# Altium PCB UPS电路2.PcbDoc
Units mm, origin at the board's own origin, x right, y up, seen from the top; angles counter-clockwise.
Board outline 89.53 x 67.31 mm, 2 copper layers (Top Layer, Bottom Layer); 41 components, 30 nets, 150 pads, 10 vias.
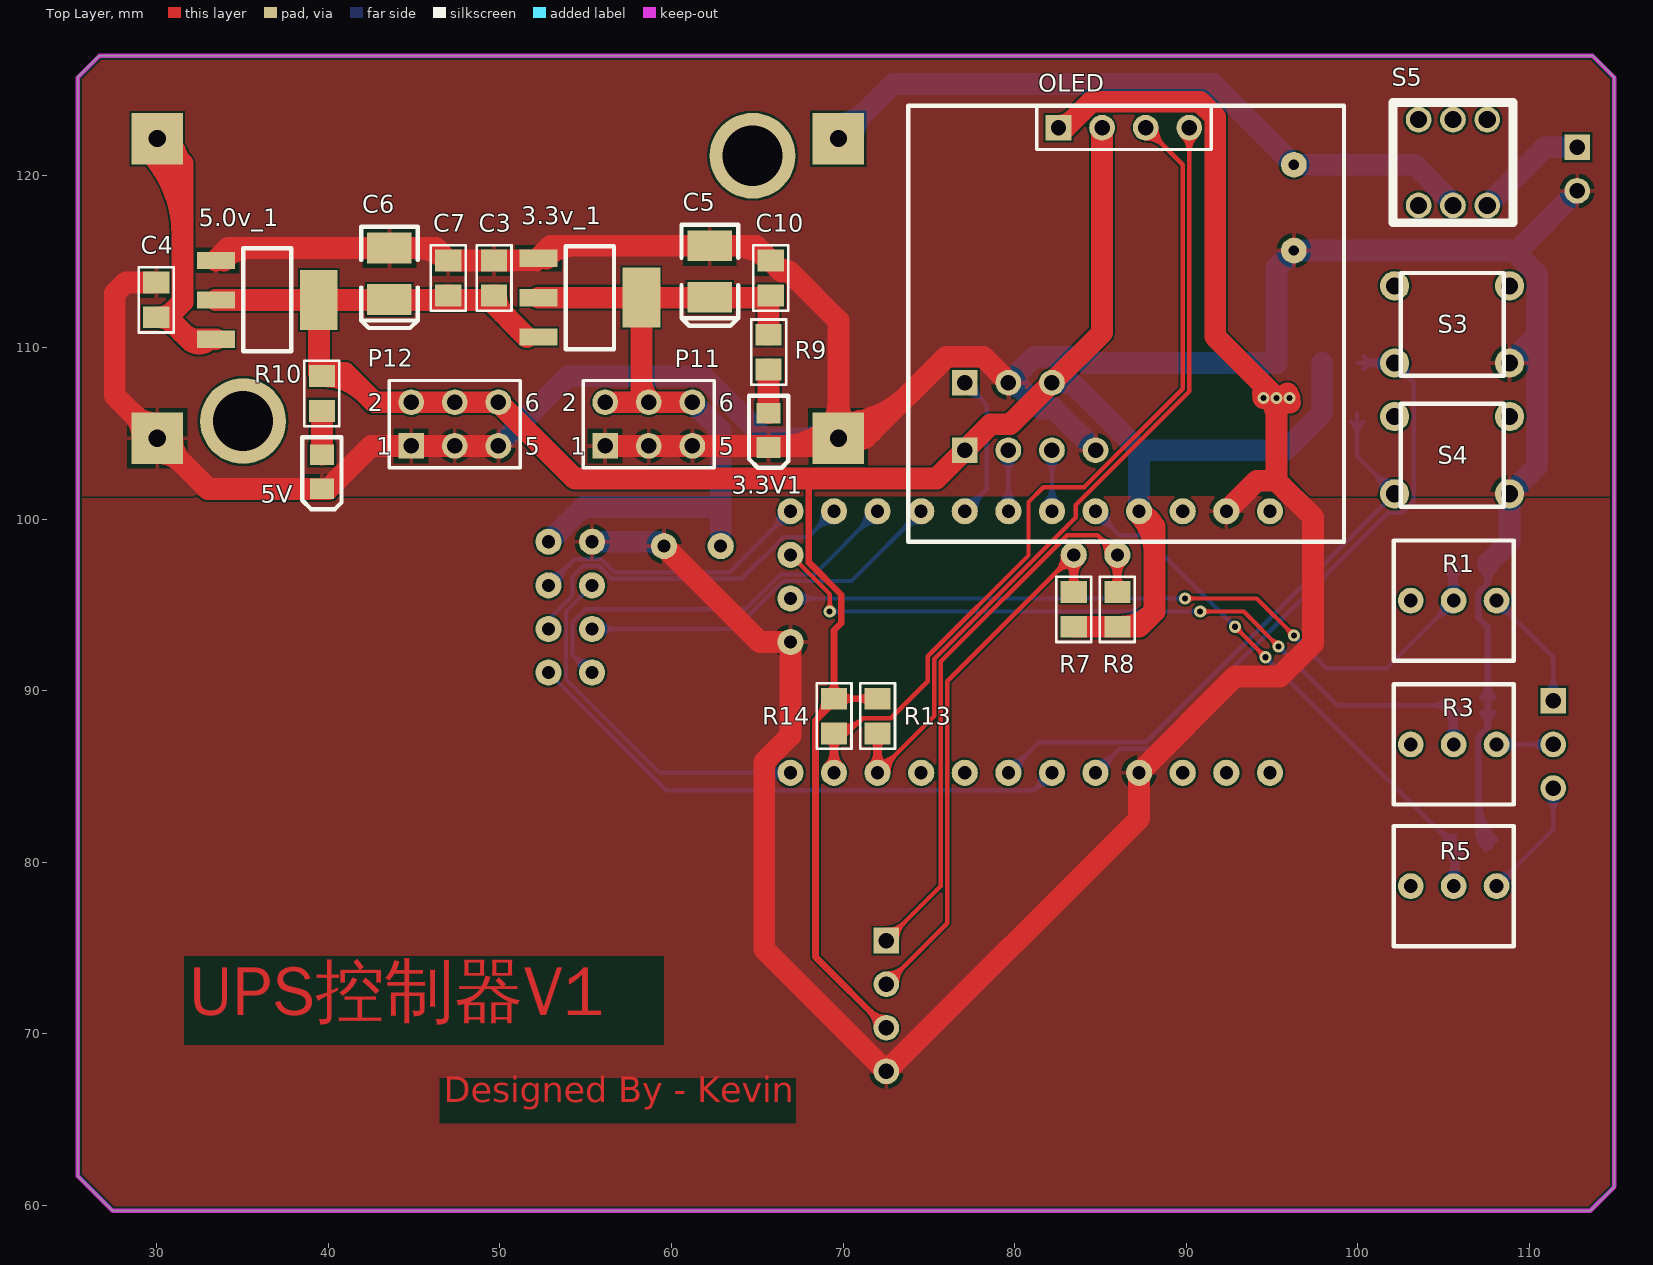
[diagram p0: Top Layer view]
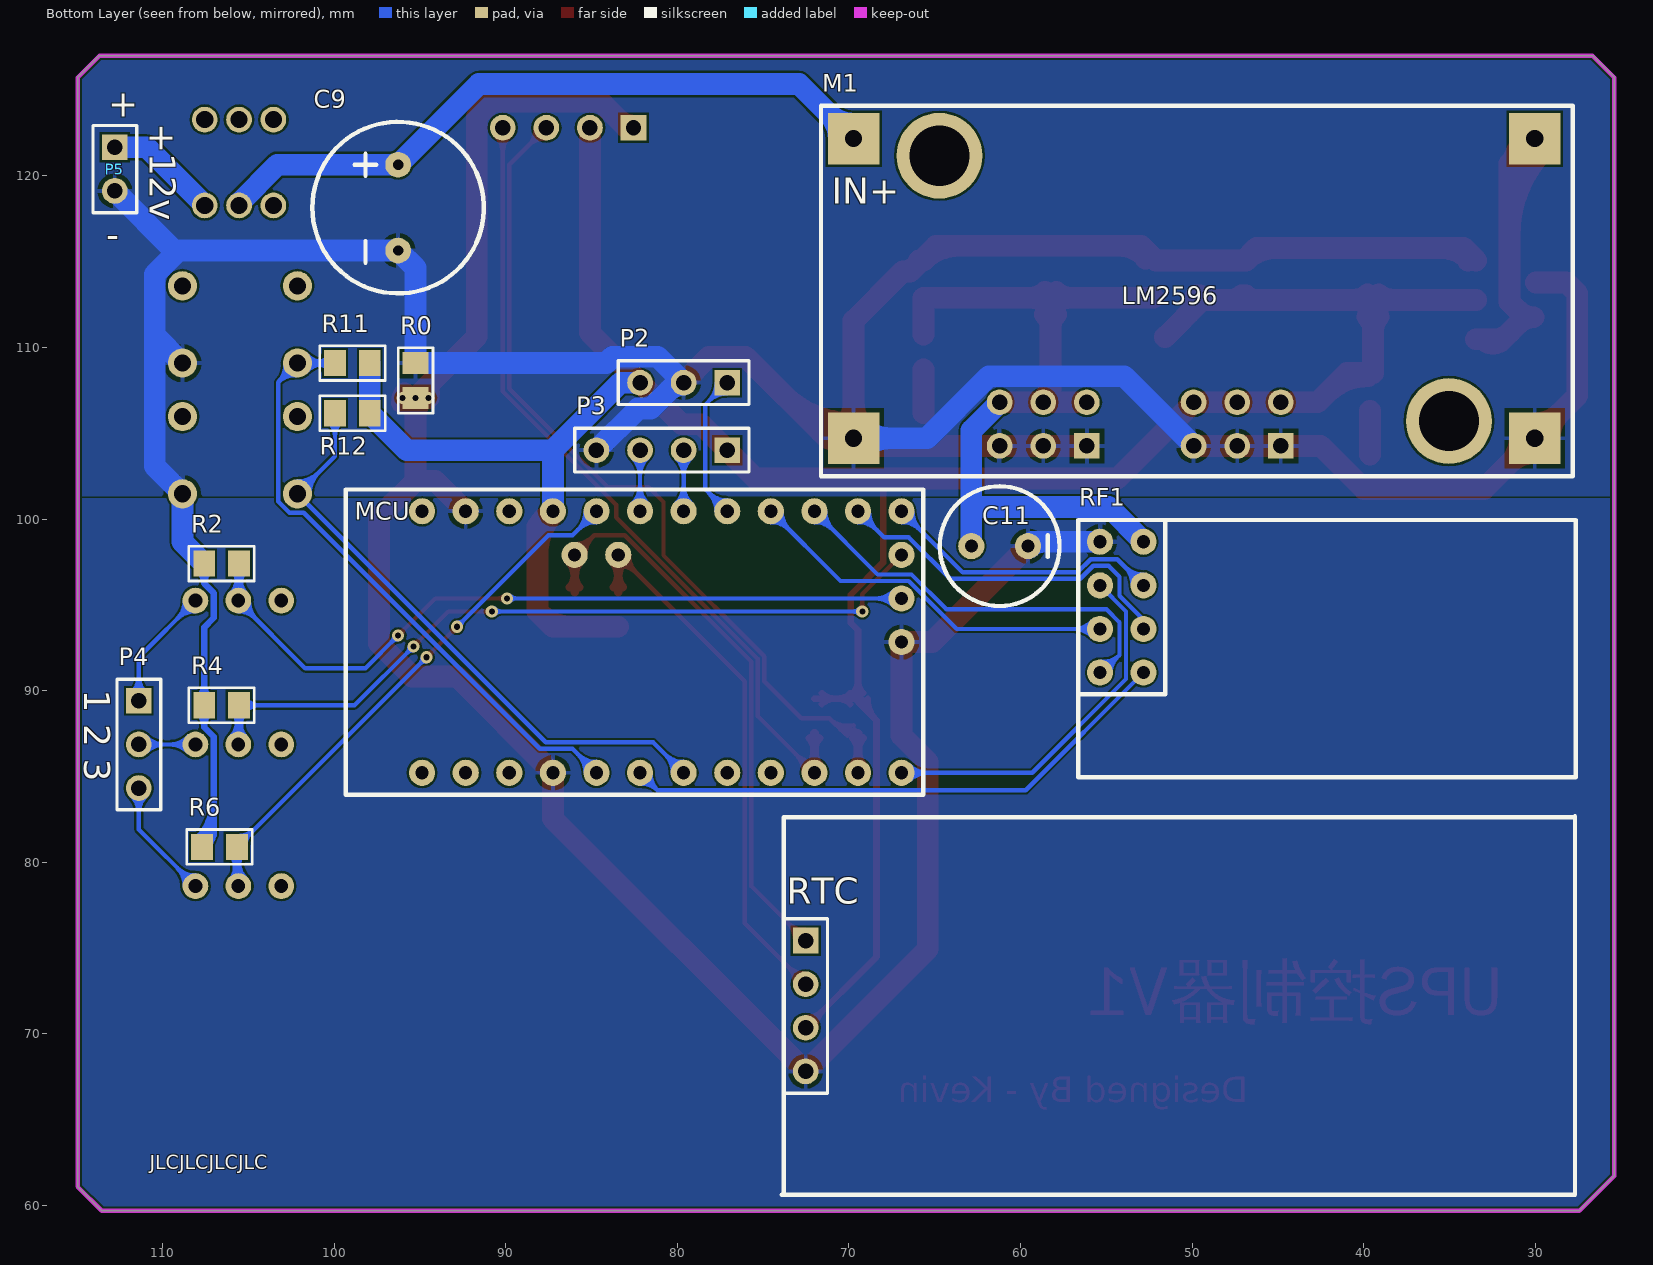
[diagram p1: Bottom Layer view, seen from below]

## Layer stack, top to bottom
Top Solder: solder mask 0.0102, Solder Resist, Dk 3.5
Top Layer: signal copper 0.0356
Dielectric 1: dielectric 0.32, FR-4, Dk 4.8
Bottom Layer: signal copper 0.0356
Bottom Solder: solder mask 0.0102, Solder Resist, Dk 3.5

## Board outline
25.4,61.722 25.4,125.73 26.67,127 113.665,127 114.935,125.73 114.935,61.087 113.538,59.69 27.432,59.69

## Design rules (kind name [scope] priority, off if disabled: settings)
Clearance [All] p1: gap=0.127
PolygonConnect [All] p1: connectstyle=Relief reliefconductorwidth=0.254 reliefentries=4 polygonreliefangle="90 Angle" airgapwidth=0.254
RoutingVias [All] p1: holewidth=0.711 width=1.27 viastyle="Through Hole" minholewidth=0.711 minwidth=1.27 maxholewidth=0.711 maxwidth=1.27
SolderMaskExpansion [All] p1: expansion=0.102
Width [All] p1: maxlimit=5.08 minlimit=0.127 preferedwidth=0.254
29 further rules are at their usual default settings.

## Components (designator, comment, footprint, x,y, rotation, side; value= is the part's Value field where it differs from the comment)
3.3V1 "3.3V1" LED 65.659,106.172 r270 top
3.3v_1 "LM1117_3.3" LC-SOT-223 55.245,112.903 r180 top
5.0v_1 "LM1117_5.0" LC-SOT-223 36.449,112.776 r180 top
5V "3.3V1" LED 39.624,103.759 r270 top
C3 "0.1uF" 0805 49.657,115.062 r270 top
C4 "0.1uF" 0805 29.972,113.792 r270 top
C5 "22uf" LC-CASE-B_3528 62.23,114.427 r270 top
C6 "22uf" LC-CASE-B_3528 43.561,114.3 r270 top
C7 "1uF" 0805 46.99,115.062 r270 top
C9 "470uF" 470uf-2 96.266,120.65 r270 bottom
C10 "1uF" 0805 65.786,115.062 r270 top
C11 "220uF" 220uf 62.865,98.425 r180 bottom
M1 "12V-8V" LM2596 69.723,122.174 r180 bottom
MCU "Arduino Pro Mini" Arduino_Promini 94.869,85.217 r180 bottom
OLED "Header 4" HDR1X4 82.55,122.809 r0 top
P2 "Relay3" HDR1X3 77.089,107.95 r0 bottom
P3 "Relay12" HDR1X4 77.089,104.013 r0 bottom
P4 "Sample" HDR1X3 111.379,89.408 r270 bottom
P5 "Power" HDR1X2 112.776,121.666 r270 bottom
P11 "5V Hub" HDR2X3 56.134,104.267 r0 top
P12 "3.3V Hub" HDR2X3 44.831,104.267 r0 top
R0 "Res2" 0805 95.25,109.093 r270 bottom
R1 "Res Adj2" AdjRes 108.077,95.25 r180 top
R2 "Res2" 0805 105.537,97.409 r0 bottom
R3 "Res Adj2" AdjRes 108.077,86.868 r180 top
R4 "Res2" 0805 105.537,89.154 r0 bottom
R5 "Res Adj2" AdjRes 108.077,78.613 r180 top
R6 "Res2" 0805 105.664,80.899 r0 bottom
R7 "Res2" 0805 83.439,95.758 r270 top
R8 "Res2" 0805 85.979,95.758 r270 top
R9 "1K" 0805 65.659,108.712 r90 top
R10 "1K" 0805 39.624,106.299 r90 top
R11 "Res2" 0805 97.917,109.093 r0 bottom
R12 "Res2" 0805 97.917,106.172 r0 bottom
R13 "Res2" 0805 72.009,87.503 r90 top
R14 "Res2" 0805 69.469,87.503 r90 top
RF1 "NRF24L01" NRF24L01 55.372,98.679 r180 bottom
RTC "Header 4" HDR1X4 72.517,75.438 r270 bottom
S3 "SW-SPST" SWITCH6*6*5 108.839,109.093 r180 top
S4 "SW-SPST" SWITCH6*6*5 108.839,101.473 r180 top
S5 "PowerSwitch" Swtich7*7 105.537,120.777 r180 top

## Footprints (in the part's own frame and the unit in brackets; to place one, negate y for a bottom-side part, rotate by r counter-clockwise, add the part's x,y. Pads: shape width x height; smd on the part's side, far side on the other; paste and mask are expansions set on the pad)
220uf [mil]
  round 60 hole 30: 1(0,0) 2(130,0)
  silkscreen extent -72,-137 202,137
470uf-2 [mm]
  round 1.5 hole 0.6: 1(0,0) 2(5,0)
  silkscreen extent -2.5,-5 7.5,5
0805 [mil]
  rect 50x60 smd: 1(0,0) 2(80,0)
  silkscreen extent -35,-40 115,40
AdjRes [mm]
  round 1.5 hole 0.8: 1(0,0) 2(2.5,0) 3(5,0)
  silkscreen extent -1,-3.5 6,3.5
Arduino_Promini [mil]
  round 60 hole 30: 1(0,0) 2(100,0) 3(200,0) 4(300,0) 4(1100,300) 5(400,0) 6(500,0) 7(600,0) 8(700,0) 9(800,0) 10(900,0) 11(1000,0) 12(1100,0) 13(1100,600) 14(1000,600) 15(900,600) 16(800,600) 17(700,600) 18(600,600) 19(500,600) 20(400,600) 21(300,600) 22(200,600) 23(100,600) 24(0,600) 31(450,500) 32(350,500) 33(1100,400) 34(1100,500)
  silkscreen extent -175,-50 1150,650
HDR1X2 [mm] "Connector; Header; 2 Position"
  rect 1.5x1.5 hole 0.9: 1(0,0)
  round 1.5 hole 0.9: 2(2.54,0)
  silkscreen extent -1.27,-1.27 3.81,1.27
HDR1X3 [mm] "Connector; Header; 3 Position"
  rect 1.5x1.5 hole 0.9: 1(0,0)
  round 1.5 hole 0.9: 2(2.54,0) 3(5.08,0)
  silkscreen extent -1.27,-1.27 6.35,1.27
HDR1X4 [mm] "Connector; Header; 4 Position"
  rect 1.5x1.5 hole 0.9: 1(0,0)
  round 1.5 hole 0.9: 2(2.54,0) 3(5.08,0) 4(7.62,0)
  silkscreen extent -1.27,-1.27 8.89,1.27
HDR2X3 [mm] "Connector; Header; 3x2 Position"
  rect 1.5x1.5 hole 0.9: 1(0,0)
  round 1.5 hole 0.9: 2(0,2.54) 3(2.54,0) 4(2.54,2.54) 5(5.08,0) 6(5.08,2.54)
  silkscreen extent -1.27,-1.27 6.35,3.81
LC-CASE-B_3528 [mm]
  rect 1.8x2.6 smd: 1(1.5,0) 2(-1.5,0)
  silkscreen extent -2.73,-1.65 3.16,1.65, body extent -1.85,-1.47 1.85,1.46, height 2.03
LC-SOT-223 [mm]
  rect 2.2x1 smd: 1(3,-2.3) 2(3,0) 3(3,2.3)
  rect 2.2x3.5 smd: 2(-3,0)
  silkscreen extent -1.4,-3 1.4,3, body extent -3.49,-3.24 3.49,3.24, height 1.64
LED [mm]
  rect 1.2x1.4 smd: 1(0,0) 2(2,0)
  silkscreen extent -1.02,-1.14 3.17,1.14
LM2596 [mm]
  rect 3x3 hole 1: 1(0,0) 2(0,-17.462) 3(39.687,0) 4(39.688,-17.463)
  round 5 hole 3.5: 5(5,-1) 5(34.688,-16.462)
  silkscreen extent -1.91,-19.69 41.91,1.91
NRF24L01 [mil]
  round 60 hole 30: 1(0,0) 2(100,0) 3(0,-100) 4(100,-100) 5(0,-200) 6(100,-200) 7(0,-300) 8(100,-300)
  silkscreen extent -50,-350 150,50
SWITCH6*6*5 [mm]
  round 1.7 hole 1: 1(0,0) 2(6.7,0) 3(0,-4.5) 4(6.7,-4.5)
  silkscreen extent 0.35,-5.25 6.35,0.75
Swtich7*7 [mm]
  round 1.5 hole 1: 1(-2,2.5) 2(0,2.5) 3(2,2.5) 4(-2,-2.5) 4(0,-2.5) 4(2,-2.5)
  silkscreen extent -3.5,-3.5 3.5,3.5

## Part data
3.3V1 5V: library part LED, "Typical RED, GREEN, YELLOW, AMBER GaAs LED"
3.3v_1 5.0v_1: library part LM1117
C3 C4 C7 C10: library part cap, "Capacitor"
C5 C6: library part Cap2, "Capacitor"
C9: library part "Cap Pol2", "Polarized Capacitor (Axial)"
C11: library part "Cap Pol1", "Polarized Capacitor (Radial)"
M1: library part 12V-5V
OLED RTC: "Header, 4-Pin"
P2 P4: library part "Header 3", "Header, 3-Pin"
P3: library part "Header 4", "Header, 4-Pin"
P5: library part "Header 2", "Header, 2-Pin"
P11 P12: library part "Header 3X2", "Header, 3-Pin, Dual row"
R0 R2 R4 R6 R7 R8 R11 R12 R13 R14: "Resistor"
R1 R3 R5: "Variable Resistor"
R9 R10: library part RES2_1, "Resistor"
S3 S4: "Single-Pole, Single-Throw Switch"
S5: library part SW-SPST, "Single-Pole, Single-Throw Switch"

## Via types
v1: diameter 0.711, hole 0.356, Top Layer to Bottom Layer, tented both sides, 10 vias

## Nets (pads, with @x,y where several pads share a name; then routed paths per layer and width w, separated by ;. In a path a pad name is that pad's centre, name@x,y a point inside that pad or via, vN(x,y) a via of type N, cw(c..) or ccw(c..) an arc to the next point about the centre after c; other vN are vias at no path point)
3.3V: 3.3v_1.2 C5.1 C10.2 C11.1 P11.2 P11.4 P11.6 R9.2 RF1.2 | length 52.9
  Top Layer w1.27: 3.3v_1.2@52.245,112.903 3.3v_1.2@58.245,112.903 ; P11.2 P11.4 P11.6 ; 3.3v_1.2@57.916,111.924 cw(c57.122,111.13) 58.245,111.13 cw(c59.368,111.13) 3.3v_1.2@58.574,111.924 ; 3.3v_1.2@57.916,112.574 ccw(c57.122,111.78) 57.122,112.903 ccw(c57.122,114.026) 3.3v_1.2@57.916,113.232 ; P11.4@58.245,107.236 3.3v_1.2@58.245,112.903 ; 58.245,108.12 ccw(c59.987,108.12) P11.4@58.755,106.888 ; 3.3v_1.2@58.574,112.574 cw(c59.368,111.78) 59.368,112.903 cw(c59.368,114.026) 3.3v_1.2@58.574,113.232 ; R9.2 65.659,112.903 3.3v_1.2@58.245,112.903
  Bottom Layer w1.27: RF1.2 54.864,100.711 62.865,100.711 ; P11.6 62.865,105.156 62.865,100.711 ; C11.1 62.865,100.711
5V: 3.3v_1.3 5.0v_1.2 C3.2 C6.1 C7.2 MCU.21 OLED.2 P2.3 P3.1 P12.2 P12.4 P12.6 R7.2 R8.2 R10.2 R11.1 R12.1 R13.2 R14.2 RTC.3 | length 187.5
  Top Layer w0.381: 67.945,102.362 68.008,102.298 68.008,97.466 69.888,95.587 69.888,93.942 69.469,93.523 R14.2 ; R14.2@68.898,89.527 cw(c67.162,89.497) 68.39,88.27 ; R14.2@69.024,88.904 ccw(c68.41,89.519) R14.2@69.279,89.534 ; R14.2@69.155,89.849 ccw(c68.396,90.608) 69.469,90.608 ccw(c70.542,90.608) R14.2@69.783,89.849 ; R14.2@69.91,89.221 cw(c70.669,88.462) 70.669,89.535 cw(c70.669,90.608) R14.2@69.91,89.849 ; R13.2@71.568,89.221 ccw(c70.809,88.462) 70.809,89.535 ccw(c70.809,90.608) R13.2@71.568,89.849 ; RTC.3@71.958,70.358 ccw(c70.607,70.358) 71.562,71.313 ccw(c72.517,72.268) RTC.3@72.517,70.917 ; R13.2 R14.2 ; RTC.3 68.389,74.486 68.389,88.27 ; 68.389,88.27 69.469,89.349 R14.2
  Top Layer w1.27: 5.0v_1.2@33.449,112.776 5.0v_1.2@39.449,112.776 ; 5.0v_1.2@39.12,111.797 cw(c38.326,111.003) 39.449,111.003 cw(c40.572,111.003) 5.0v_1.2@39.778,111.797 ; 5.0v_1.2@39.12,112.447 ccw(c38.326,111.653) 38.326,112.776 ccw(c38.326,113.899) 5.0v_1.2@39.12,113.105 ; R10.2@39.751,108.331 cw(c39.751,104.958) 42.136,107.343 ; 5.0v_1.2@39.778,112.447 cw(c40.572,111.653) 40.572,112.776 cw(c40.572,113.899) 5.0v_1.2@39.778,113.105 ; C7.2@46.25,112.776 ccw(c46.25,113.643) C7.2@46.863,113.03 ; C7.2@47.117,113.03 ccw(c47.73,113.643) C7.2@47.73,112.776 ; C3.2@48.917,112.776 ccw(c48.917,113.643) C3.2@49.53,113.03 ; C3.2@49.784,113.03 ccw(c51.317,113.03) 50.233,111.946 ; 3.3v_1.3@51.576,110.603 49.403,112.776 5.0v_1.2@39.449,112.776 ; R7.2 R8.2 87.249,93.726 88.138,94.615 88.138,99.568 MCU.21 ; OLED.2 85.09,110.871 P2.3 79.744,105.525 78.601,105.525 P3.1 75.438,102.362 67.945,102.362 54.356,102.362 P12.6 P12.4 P12.2 42.672,106.807 40.973,108.506 39.449,108.506 5.0v_1.2@39.449,112.776 ; R8.2@86.106,93.726 ccw(c86.106,96.485) 88.057,94.534 ; MCU.21@87.159,100.367 cw(c84.796,98.004) 88.138,98.004 ; MCU.21@87.222,100.333 cw(c86.979,99.2) 88.138,99.2
  Bottom Layer w1.27: P2.3 83.312,107.95 87.249,104.013 ; MCU.21 87.249,104.013 ; R11.1 R12.1 95.758,104.013 87.249,104.013
8V: 5.0v_1.3 C4.2 M1.3 | length 28.1
  Top Layer w1.27: M1.3@29.424,121.562 cw(c24.421,116.56) 31.496,116.56 ; M1.3 31.496,120.714 31.496,112.649 30.607,111.76 31.891,110.476 ; M1.3@30.322,122.46 cw(c27.487,119.626) 31.496,119.626 ; 30.966,111.401 ccw(c30.099,110.534) 30.099,111.76 ccw(c30.099,112.986) 30.966,112.119 ; 31.444,110.923 ccw(c32.849,112.328) 5.0v_1.3@32.849,110.341 ; 5.0v_1.3@32.921,110.362 cw(c32.477,111.062) 31.891,110.476 ; 5.0v_1.3 31.891,110.476
12V_MCU: C9.1 M1.1 S5.2 | length 43.4
  Bottom Layer w1.27: M1.1 72.898,125.349 91.567,125.349 C9.1 103.302,120.65 105.537,118.415 S5.2 ; M1.1@69.723,123.039 ccw(c69.723,125.127) 71.2,123.651 ccw(c72.676,122.174) M1.1@70.588,122.174
DGND: C11.2 MCU.4 MCU.23 OLED.1 R0.2 RF1.1 RTC.4 | length 138.4
  Top Layer w1.27: C11.2 65.151,92.837 66.929,92.837 66.929,87.372 65.405,85.848 65.405,74.93 RTC.4 87.249,82.55 87.249,85.217 92.862,90.83 95.459,90.83 97.384,92.755 97.384,100.098 95.25,102.231 ; OLED.1 82.952,122.809 84.464,124.321 90.796,124.321 91.682,123.435 91.682,110.629 v1(95.25,107.061) ; OLED.1@82.55,122.924 ccw(c82.55,124.171) 83.432,123.289 ; MCU.23 94.103,102.231 95.25,102.231 ; 94.426,107.885 cw(c93.602,107.061) v1@94.767,107.061 ; v1@94.457,107.339 cw(c94.565,106.376) v1(95.25,107.061) ; v1(94.488,107.061) v1(95.25,107.061) ; v1@94.607,107.314 cw(c94.128,106.299) 95.25,106.299 cw(c96.372,106.299) v1@95.893,107.314 ; v1@94.686,107.259 cw(c93.323,105.896) 95.25,105.896 cw(c97.177,105.896) v1@95.814,107.259 ; v1@95.188,107.123 ccw(c96.012,107.947) v1@96.012,106.782 ; v1(96.012,107.061) v1(95.25,107.061) ; v1@96.043,106.783 cw(c95.935,107.746) v1(95.25,107.061) ; 95.25,102.231 v1(95.25,107.061)
  Bottom Layer w1.27: RF1.1 C11.2@59.309,98.679 ; 58.643,98.679 cw(c58.643,97.505) C11.2@59.473,98.335
GND: 3.3V1.2 3.3v_1.1 5.0v_1.1 5V.2 C3.1 C4.1 C5.2 C6.2 C7.1 C9.2 C10.1 M1.2 M1.4 P2.2 P3.4 P5.2 P11.1 P11.3 P11.5 P12.1 P12.3 P12.5 R0.1 R2.2 R4.2 R6.2 S3.1 S4.1 | length 265.3
  Top Layer w1.27: M1.4@29.171,104.711 ccw(c27.082,104.711) 28.559,106.188 ccw(c30.035,107.665) M1.4@30.035,105.576 ; C4.1 28.194,113.792 27.559,113.157 27.559,107.188 M1.4 32.988,101.759 5V.2 40.002,101.759 42.51,104.267 P12.1 P12.3 P12.5 ; M1.4@30.035,103.846 cw(c30.035,101.758) 31.512,103.235 cw(c32.989,104.711) M1.4@30.9,104.711 ; 5.0v_1.1 34.173,115.8 ; 5.0v_1.1@33.915,115.061 cw(c34.81,115.163) 34.173,115.8 ; 5.0v_1.1@33.954,115.171 cw(c35.471,113.654) 35.471,115.8 ; 45.081,115.8 cw(c45.081,113.28) C7.1@46.863,115.062 ; 3.3v_1.1@52.711,115.188 cw(c53.606,115.29) 52.969,115.927 ; 3.3v_1.1@52.75,115.298 cw(c54.267,113.781) 54.267,115.927 ; P11.1 P11.3 P11.5 69.278,104.267 M1.2 ; 63.571,115.927 cw(c63.571,112.974) C10.1@65.659,115.062 ; C10.1@65.913,115.062 ccw(c66.864,115.456) 66.864,114.427 ; 66.562,104.267 ccw(c66.562,107.873) 69.111,105.323 ccw(c67.635,106.8) 69.723,106.8 ccw(c71.811,106.8) M1.2@70.335,105.323 ; M1.2@69.723,104.306 ccw(c69.723,107.07) 71.677,105.116 ; M1.2@69.723,105.576 ccw(c69.723,111.407) 73.845,107.284 ; M1.2@70.459,104.257 cw(c71.273,103.756) 71.273,104.712 ; M1.2@70.459,105.166 ccw(c71.273,105.667) 71.273,104.712 ; P2.2@79.629,107.988 78.155,109.462 76.023,109.462 71.273,104.712 ; 34.173,115.8 C6.2 46.252,115.8 C7.1 C3.1 52.104,115.062 3.3v_1.1 52.969,115.927 ; 52.969,115.927 C5.2 64.921,115.927 C10.1 66.421,114.427 66.864,114.427 69.723,111.568 M1.2 ; M1.2 71.273,104.712
  Bottom Layer w0.381: 107.009,81.917 ccw(c108.587,81.917) R6.2@107.471,80.801 ; 107.009,82.837 ccw(c109.507,82.837) R6.2@107.741,81.071 ; 107.009,83.756 ccw(c110.426,83.756) R6.2@108.01,81.34 ; 107.027,81.568 cw(c106.485,81.026) R6.2@107.251,81.026 ; R4.2@107.255,88.713 cw(c106.496,87.954) 107.569,87.954 cw(c108.642,87.954) R4.2@107.883,88.713 ; R4.2@107.255,89.595 ccw(c106.496,90.354) 107.569,90.354 ccw(c108.642,90.354) R4.2@107.883,89.595 ; R2.2@107.264,96.959 cw(c106.597,96.252) 107.569,96.252 ; R6.2@107.563,81.45 cw(c107.398,81.974) 107.01,81.585 ; R2.2 107.569,96.252 ; R6.2 107.009,81.586 ; R2.2@107.874,96.959 ccw(c108.541,96.252) 107.569,96.252 ; 107.009,81.586 107.009,87.31 107.569,87.87 R4.2 107.569,93.689 107.009,94.248 107.009,95.692 107.569,96.252
  Bottom Layer w1.27: P12.5 53.963,108.319 61.84,108.319 65.448,104.712 M1.2 ; M1.2@69.111,104.1 ccw(c67.635,102.623) 67.635,104.712 ccw(c67.635,106.8) M1.2@69.111,105.323 ; P2.2@79.629,107.835 cw(c79.629,106.588) 80.511,107.47 ; P3.4 82.284,106.438 81.543,106.438 80.031,107.95 P2.2 81.141,109.462 83.776,109.462 84.145,109.093 R0.1 95.25,114.634 C9.2 109.3,115.65 ; R2.2 108.839,98.679 S4.1 110.451,103.085 110.451,110.705 ; S3.1 110.451,110.705 ; P5.2 109.3,115.65 ; 109.3,115.65 109.3,115.412 110.451,114.261 110.451,110.705
K1: MCU.5 R11.2 S3.2 | length 51.7
  Bottom Layer w0.254: MCU.5 86.106,86.614 88.011,86.614 101.766,100.369 102.596,100.369 103.251,101.024 103.251,107.981 ; MCU.5@84.709,85.598 ccw(c84.709,86.518) 85.359,85.867 ccw(c86.01,85.217) MCU.5@85.09,85.217 ; MCU.5@84.709,85.852 ccw(c84.709,87.385) 85.793,86.301 ccw(c86.877,85.217) MCU.5@85.344,85.217 ; R11.2 S3.2 103.251,107.981 ; R11.2@100.308,108.734 cw(c101.175,107.867) 101.175,109.093 cw(c101.175,110.319) R11.2@100.308,109.452 ; R11.2@100.389,108.966 cw(c100.748,108.759) 100.641,109.159 ; R11.2@100.389,109.22 ccw(c100.748,109.427) 100.641,109.027 ; R11.2@100.41,108.752 cw(c100.767,108.585) 100.869,108.966 ; R11.2@100.41,109.434 ccw(c100.767,109.601) 100.869,109.22 ; S3.2@101.628,108.582 ccw(c100.394,107.348) 100.394,109.093 ccw(c100.394,110.838) S3.2@101.628,109.604 ; S3.2@101.807,108.761 ccw(c101.007,107.961) 101.007,109.093 ccw(c101.007,110.225) S3.2@101.807,109.425 ; S3.2@102.175,108.625 cw(c102.242,107.753) 102.86,108.372 cw(c103.479,108.99) S3.2@102.607,109.057 ; S3.2@102.194,108.372 cw(c102.297,107.027) 103.251,107.981 ; S3.2@102.86,109.038 ccw(c104.205,108.935) 103.251,107.981
K2: MCU.7 R12.2 S4.2 | length 45.1
  Bottom Layer w0.254: MCU.7 81.407,86.995 87.661,86.995 S4.2 99.949,103.663 R12.2 ; MCU.7@79.629,85.598 ccw(c79.629,86.518) 80.279,85.867 ccw(c80.93,85.217) MCU.7@80.01,85.217 ; MCU.7@79.629,85.852 ccw(c79.629,87.385) 80.713,86.301 ccw(c81.797,85.217) MCU.7@80.264,85.217 ; R12.2@99.59,105.686 cw(c98.723,104.819) 99.949,104.819 cw(c101.175,104.819) R12.2@100.308,105.686 ; S4.2@101.416,101.473 ccw(c99.671,101.473) 100.905,102.707 ccw(c102.139,103.941) S4.2@102.139,102.196 ; S4.2@101.67,101.473 ccw(c100.538,101.473) 101.338,102.274 ccw(c102.139,103.074) S4.2@102.139,101.942
Net3.3V1_1: 3.3V1.1 R9.1 | length 2.5
  Top Layer w1.27: 3.3V1.1 R9.1
Net5V_1: 5V.1 R10.1 | length 2.5
  Top Layer w1.27: 5V.1 R10.1
NetP5_1: P5.1 S5.1 | length 6.6
  Bottom Layer w1.27: S5.1 110.926,121.666 P5.1
NRF_CE: MCU.12 RF1.3 | length 25.3
  Bottom Layer w0.254: RF1.3 53.848,94.615 53.848,90.678 59.309,85.217 MCU.12 ; MCU.12@66.48,84.768 ccw(c65.396,83.684) 65.396,85.217 ccw(c65.396,86.75) MCU.12@66.48,85.666 ; MCU.12@66.66,84.948 ccw(c66.009,84.297) 66.009,85.217 ccw(c66.009,86.137) MCU.12@66.66,85.486
NRF_CSN: MCU.13 RF1.4 | length 24.2
  Bottom Layer w0.254: RF1.4 54.356,97.663 55.911,97.663 56.673,96.901 63.373,96.901 MCU.13 ; RF1.4@52.832,96.52 ccw(c52.832,97.44) 53.482,96.789 ccw(c54.133,96.139) RF1.4@53.213,96.139 ; RF1.4@52.832,96.774 ccw(c52.832,98.307) 53.916,97.223 ccw(c55,96.139) RF1.4@53.467,96.139 ; MCU.13@66.294,100.457 cw(c64.761,100.457) 65.845,99.373 cw(c66.929,98.289) MCU.13@66.929,99.822 ; MCU.13@66.548,100.457 cw(c65.628,100.457) 66.279,99.807 cw(c66.929,99.156) MCU.13@66.929,100.076
NRF_IRQ: MCU.6 RF1.8 | length 36.1
  Bottom Layer w0.254: RF1.8 59.69,84.201 81.153,84.201 ; MCU.6@81.535,85.187 cw(c80.228,85.126) 81.153,84.201 ; MCU.6@81.788,85.199 cw(c81.005,85.162) 81.559,84.607 cw(c82.114,84.053) MCU.6@82.151,84.836 ; MCU.6@82.139,84.583 ccw(c82.078,83.276) 81.153,84.201 ; MCU.6 81.153,84.201
NRF_MISO: MCU.15 RF1.7 | length 30.5
  Bottom Layer w0.254: 54.378,91.926 cw(c53.511,91.059) RF1.7@54.737,91.059 ; 54.607,91.697 ccw(c55.243,92.332) RF1.7@55.334,91.438 ; RF1.7@55.308,91.691 cw(c55.173,93.019) 54.229,92.075 ; RF1.7@55.372,91.567 54.737,91.567 54.229,92.075 ; MCU.15@71.374,100.457 cw(c69.841,100.457) 70.925,99.373 cw(c72.009,98.289) MCU.15@72.009,99.822 ; MCU.15@71.628,100.457 cw(c70.708,100.457) 71.359,99.807 cw(c72.009,99.156) MCU.15@72.009,100.076 ; MCU.15 68.326,96.774 66.35,96.774 64.318,94.742 54.991,94.742 54.229,93.98 54.229,92.075
NRF_MOSI: MCU.14 RF1.6 | length 24.9
  Bottom Layer w0.254: RF1.6 52.832,94.138 54.229,95.535 54.229,96.647 54.864,97.282 55.753,97.282 56.515,96.52 64.095,96.52 66.508,98.933 67.945,98.933 MCU.14 ; MCU.14@68.834,100.457 cw(c67.301,100.457) 68.385,99.373 cw(c69.469,98.289) MCU.14@69.469,99.822 ; MCU.14@69.088,100.457 cw(c68.168,100.457) 68.819,99.807 cw(c69.469,99.156) MCU.14@69.469,100.076
NRF_SCK: MCU.16 RF1.5 | length 29.7
  Bottom Layer w0.254: RF1.5 63.714,93.599 66.508,96.393 70.485,96.393 MCU.16 ; RF1.5@55.641,93.33 cw(c56.292,92.679) 56.292,93.599 cw(c56.292,94.519) RF1.5@55.641,93.868 ; RF1.5@55.821,93.15 cw(c56.905,92.066) 56.905,93.599 cw(c56.905,95.132) RF1.5@55.821,94.048 ; MCU.16@73.914,100.457 cw(c72.381,100.457) 73.465,99.373 cw(c74.549,98.289) MCU.16@74.549,99.822 ; MCU.16@74.168,100.457 cw(c73.248,100.457) 73.899,99.807 cw(c74.549,99.156) MCU.16@74.549,100.076
OLED_SCL: MCU.11 OLED.3 R14.1 | length 61.1
  Top Layer w0.254: R14.1 70.253,87.503 ; R14.1@69.596,87.503 ccw(c69.827,88.435) 70.506,87.756 ; R14.1@69.657,87.75 ccw(c69.953,88.945) 70.824,88.074 ; R14.1@69.718,87.996 ccw(c70.08,89.454) 71.142,88.392 ; R14.1@70.088,87.375 cw(c70.253,87.332) 70.253,87.503 ; R14.1@70.088,87.631 ccw(c70.253,87.674) 70.253,87.503 ; OLED.3@87.63,122.186 cw(c87.63,120.682) 88.694,121.745 cw(c89.757,122.809) OLED.3@88.253,122.809 ; OLED.3@87.63,122.44 cw(c87.63,121.549) 88.26,122.179 cw(c88.89,122.809) OLED.3@87.999,122.809 ; OLED.3 89.789,120.65 89.789,107.6 84.043,101.854 81.661,101.854 80.805,100.998 80.805,97.884 74.93,92.01 74.93,90.551 72.771,88.392 71.142,88.392 ; 70.253,87.503 71.142,88.392
  Top Layer w0.508: MCU.11@69.11,85.576 ccw(c68.243,86.443) 69.469,86.443 ccw(c70.695,86.443) MCU.11@69.828,85.576 ; R14.1@69.2,87.234 cw(c68.549,86.583) 69.469,86.583 cw(c70.389,86.583) R14.1@69.738,87.234 ; MCU.11 R14.1
OLED_SDA: MCU.10 OLED.4 R13.1 | length 58.4
  Top Layer w0.254: MCU.10 75.311,88.519 75.311,91.852 83.566,100.107 83.566,100.838 90.17,107.442 OLED.4 ; MCU.10@72.009,85.598 ccw(c72.009,86.518) 72.659,85.867 ccw(c73.31,85.217) MCU.10@72.39,85.217 ; MCU.10@72.009,85.852 ccw(c72.009,87.385) 73.093,86.301 ccw(c74.177,85.217) MCU.10@72.644,85.217 ; OLED.4@89.729,122.368 cw(c88.666,121.305) 90.17,121.305 cw(c91.674,121.305) OLED.4@90.611,122.368 ; OLED.4@89.909,122.548 cw(c89.279,121.918) 90.17,121.918 cw(c91.061,121.918) OLED.4@90.431,122.548
  Top Layer w0.508: MCU.10@71.65,85.576 ccw(c70.783,86.443) 72.009,86.443 ccw(c73.235,86.443) MCU.10@72.368,85.576 ; R13.1@71.74,87.234 cw(c71.089,86.583) 72.009,86.583 cw(c72.929,86.583) R13.1@72.278,87.234 ; MCU.10 R13.1
RLYCTRL1: MCU.19 P3.3 | length 11.2
  Bottom Layer w0.254: MCU.19@81.72,100.906 ccw(c80.636,101.99) 82.169,101.99 ccw(c83.702,101.99) MCU.19@82.618,100.906 ; P3.3@81.728,103.572 cw(c80.665,102.509) 82.169,102.509 cw(c83.673,102.509) P3.3@82.61,103.572 ; MCU.19@81.9,100.726 ccw(c81.249,101.377) 82.169,101.377 ccw(c83.089,101.377) MCU.19@82.438,100.726 ; P3.3@81.908,103.752 cw(c81.278,103.122) 82.169,103.122 cw(c83.06,103.122) P3.3@82.43,103.752 ; MCU.19 P3.3
RLYCTRL2: MCU.18 P3.2 | length 11.2
  Bottom Layer w0.254: MCU.18@79.18,100.906 ccw(c78.096,101.99) 79.629,101.99 ccw(c81.162,101.99) MCU.18@80.078,100.906 ; P3.2@79.188,103.572 cw(c78.125,102.509) 79.629,102.509 cw(c81.133,102.509) P3.2@80.07,103.572 ; MCU.18@79.36,100.726 ccw(c78.709,101.377) 79.629,101.377 ccw(c80.549,101.377) MCU.18@79.898,100.726 ; P3.2@79.368,103.752 cw(c78.738,103.122) 79.629,103.122 cw(c80.52,103.122) P3.2@79.89,103.752 ; MCU.18 P3.2
RLYCTRL3: MCU.17 P2.1 | length 16.2
  Bottom Layer w0.254: MCU.17 78.359,101.727 78.359,106.68 P2.1 ; MCU.17@77.089,100.838 ccw(c77.089,101.758) 77.739,101.107 ccw(c78.39,100.457) MCU.17@77.47,100.457 ; MCU.17@77.089,101.092 ccw(c77.089,102.625) 78.173,101.541 ccw(c79.257,100.457) MCU.17@77.724,100.457 ; P2.1@77.089,107.327 cw(c77.089,105.823) 78.153,106.886 cw(c79.216,107.95) P2.1@77.712,107.95 ; P2.1@77.089,107.581 cw(c77.089,106.69) 77.719,107.32 cw(c78.349,107.95) P2.1@77.458,107.95
S1: P4.1 R1.1 | length 14.7
  Bottom Layer w0.254: R1.1@108.077,94.627 cw(c108.077,93.123) 109.141,94.186 cw(c110.204,95.25) R1.1@108.7,95.25 ; R1.1@108.077,94.881 cw(c108.077,93.99) 108.707,94.62 cw(c109.337,95.25) R1.1@108.446,95.25 ; R1.1 111.379,91.948 P4.1 ; P4.1@110.938,89.849 ccw(c109.875,90.912) 111.379,90.912 ccw(c112.883,90.912) P4.1@111.82,89.849 ; P4.1@111.118,89.669 ccw(c110.488,90.299) 111.379,90.299 ccw(c112.27,90.299) P4.1@111.64,89.669
S2: P4.2 R3.1 | length 10.8
  Bottom Layer w0.254: R3.1 P4.2 ; R3.1@108.338,86.607 cw(c108.968,85.977) 108.968,86.868 cw(c108.968,87.759) R3.1@108.338,87.129 ; R3.1@108.518,86.427 cw(c109.581,85.364) 109.581,86.868 cw(c109.581,88.372) R3.1@108.518,87.309 ; P4.2@110.938,86.427 ccw(c109.875,85.364) 109.875,86.868 ccw(c109.875,88.372) P4.2@110.938,87.309 ; P4.2@111.118,86.607 ccw(c110.488,85.977) 110.488,86.868 ccw(c110.488,87.759) P4.2@111.118,87.129
S3: P4.3 R5.1 | length 14.6
  Bottom Layer w0.254: R5.1 111.379,81.915 P4.3 ; R5.1@108.077,78.982 ccw(c108.077,79.873) 108.707,79.243 ccw(c109.337,78.613) R5.1@108.446,78.613 ; R5.1@108.077,79.236 ccw(c108.077,80.74) 109.141,79.677 ccw(c110.204,78.613) R5.1@108.7,78.613 ; P4.3@110.938,83.887 cw(c109.875,82.824) 111.379,82.824 cw(c112.883,82.824) P4.3@111.82,83.887 ; P4.3@111.118,84.067 cw(c110.488,83.437) 111.379,83.437 cw(c112.27,83.437) P4.3@111.64,84.067
SAMPLE1: MCU.33 R1.2 R2.1 | length 58.5
  Top Layer w0.254: v1(89.916,95.377) 94.107,95.377 v1(96.266,93.218) ; v1@90.078,95.215 cw(c90.468,94.825) 90.468,95.377 cw(c90.468,95.929) v1@90.078,95.539 ; v1@96.037,93.218 ccw(c95.486,93.218) 95.876,93.608 ccw(c96.266,93.998) v1@96.266,93.447
  Bottom Layer w0.254: MCU.33 v1(89.916,95.377) ; MCU.33@67.198,95.108 cw(c67.849,94.457) 67.849,95.377 cw(c67.849,96.297) MCU.33@67.198,95.646 ; MCU.33@67.378,94.928 cw(c68.462,93.844) 68.462,95.377 cw(c68.462,96.91) MCU.33@67.378,95.826 ; v1@89.754,95.215 ccw(c89.364,94.825) 89.364,95.377 ccw(c89.364,95.929) v1@89.754,95.539 ; v1@96.266,92.989 cw(c96.266,92.438) 96.656,92.828 cw(c97.046,93.218) v1@96.495,93.218 ; v1(96.266,93.218) 98.171,91.313 101.687,91.313 R1.2@105.497,95.123 ; 104.48,94.106 ccw(c103.336,95.25) R1.2@104.954,95.25 ; 104.594,94.22 cw(c105.577,93.236) R1.2@105.577,94.627 ; 104.914,94.54 ccw(c104.204,95.25) R1.2@105.208,95.25 ; 105.027,94.653 cw(c105.577,94.104) R1.2@105.577,94.881
  Bottom Layer w0.508: R1.2@105.226,95.601 ccw(c104.476,96.351) 105.537,96.351 ; R2.1@105.268,97.013 cw(c104.617,96.362) 105.537,96.362 cw(c106.457,96.362) R2.1@105.806,97.013 ; R1.2@105.537,95.163 R2.1 ; 105.537,96.544 ccw(c106.871,96.544) R1.2@105.928,95.601
SAMPLE2: MCU.34 R3.2 R4.1 | length 55.5
  Top Layer w0.254: MCU.34 69.215,95.631 v1(69.215,94.615) ; v1@69.053,94.777 ccw(c68.663,95.167) 69.215,95.167 ccw(c69.767,95.167) v1@69.377,94.777 ; v1(90.805,94.615) 93.345,94.615 v1(95.377,92.583) ; v1@90.967,94.453 cw(c91.357,94.063) 91.357,94.615 cw(c91.357,95.167) v1@90.967,94.777 ; v1@95.148,92.583 ccw(c94.597,92.583) 94.987,92.973 ccw(c95.377,93.363) v1@95.377,92.812
  Bottom Layer w0.254: v1(69.215,94.615) v1(90.805,94.615) ; v1@69.377,94.453 cw(c69.767,94.063) 69.767,94.615 cw(c69.767,95.167) v1@69.377,94.777 ; v1@90.643,94.453 ccw(c90.253,94.063) 90.253,94.615 ccw(c90.253,95.167) v1@90.643,94.777 ; v1@95.377,92.354 cw(c95.377,91.803) 95.767,92.193 cw(c96.157,92.583) v1@95.606,92.583 ; v1(95.377,92.583) 98.806,89.154 R4.1 ; R4.1@105.178,88.795 ccw(c104.311,87.928) 104.311,89.154 ccw(c104.311,90.38) R4.1@105.178,89.513
  Bottom Layer w0.508: R3.2@105.226,87.219 ccw(c104.476,87.969) 105.537,87.969 ; R4.1@105.268,88.758 cw(c104.617,88.107) 105.537,88.107 cw(c106.457,88.107) R4.1@105.806,88.758 ; R3.2@105.537,86.908 R4.1 ; 105.537,88.162 ccw(c106.871,88.162) R3.2@105.928,87.219
SAMPLE3: MCU.20 R5.2 R6.1 | length 44.6
  Top Layer w0.254: v1@92.837,93.497 cw(c92.837,92.946) 93.227,93.336 cw(c93.617,93.726) v1@93.066,93.726 ; v1(92.837,93.726) v1(94.615,91.948) ; v1@94.386,91.948 ccw(c93.835,91.948) 94.225,92.338 ccw(c94.615,92.728) v1@94.615,92.177
  Bottom Layer w0.254: MCU.20@84.709,99.822 cw(c84.709,98.289) 85.793,99.373 cw(c86.877,100.457) MCU.20@85.344,100.457 ; MCU.20@84.709,100.076 cw(c84.709,99.156) 85.359,99.807 cw(c86.01,100.457) MCU.20@85.09,100.457 ; MCU.20 86.106,99.06 87.503,99.06 v1(92.837,93.726) ; v1@92.608,93.726 ccw(c92.057,93.726) 92.447,94.116 ccw(c92.837,94.506) v1@92.837,93.955 ; v1@94.615,91.719 cw(c94.615,91.168) 95.005,91.558 cw(c95.395,91.948) v1@94.844,91.948 ; v1(94.615,91.948) R6.1 ; 104.58,81.983 ccw(c105.664,83.067) R6.1@105.664,81.534 ; 104.887,81.676 cw(c104.236,81.026) R6.1@105.156,81.026 ; 105.014,81.549 ccw(c105.664,82.2) R6.1@105.664,81.28
  Bottom Layer w0.508: R5.2@105.226,78.964 ccw(c104.17,80.02) 105.664,80.02 ; R6.1@105.395,80.503 cw(c104.744,79.852) 105.664,79.852 cw(c106.584,79.852) R6.1@105.933,80.503 ; R5.2@105.664,78.7 R6.1 ; 105.664,79.6 ccw(c106.564,79.6) R5.2@105.928,78.964
SCL: MCU.32 R8.1 RTC.1 | length 44.5
  Top Layer w0.254: RTC.1 75.692,78.613 75.692,91.694 83.058,99.06 84.836,99.06 MCU.32 ; RTC.1@72.517,75.807 ccw(c72.517,76.698) 73.147,76.068 ccw(c73.777,75.438) RTC.1@72.886,75.438 ; RTC.1@72.517,76.061 ccw(c72.517,77.565) 73.581,76.502 ccw(c74.644,75.438) RTC.1@73.14,75.438 ; MCU.32@85.344,97.917 ccw(c83.811,97.917) 84.895,99.001 ccw(c85.979,100.085) MCU.32@85.979,98.552 ; MCU.32@85.598,97.917 ccw(c84.678,97.917) 85.329,98.567 ccw(c85.979,99.218) MCU.32@85.979,98.298
  Top Layer w0.508: MCU.32@85.62,97.558 cw(c84.753,96.691) 85.979,96.691 cw(c87.205,96.691) MCU.32@86.338,97.558 ; R8.1@85.71,96.027 ccw(c85.059,96.678) 85.979,96.678 ccw(c86.899,96.678) R8.1@86.248,96.027 ; R8.1 MCU.32
SDA: MCU.31 R7.1 RTC.2 | length 42.7
  Top Layer w0.254: RTC.2 76.073,76.454 76.073,90.551 MCU.31 ; RTC.2@72.517,73.267 ccw(c72.517,74.158) 73.147,73.528 ccw(c73.777,72.898) RTC.2@72.886,72.898 ; RTC.2@72.517,73.521 ccw(c72.517,75.025) 73.581,73.962 ccw(c74.644,72.898) RTC.2@73.14,72.898 ; MCU.31@82.804,97.917 cw(c81.271,97.917) 82.355,96.833 cw(c83.439,95.749) MCU.31@83.439,97.282 ; MCU.31@83.058,97.917 cw(c82.138,97.917) 82.789,97.267 cw(c83.439,96.616) MCU.31@83.439,97.536
  Top Layer w0.508: MCU.31@83.08,97.558 cw(c82.213,96.691) 83.439,96.691 cw(c84.665,96.691) MCU.31@83.798,97.558 ; R7.1@83.17,96.027 ccw(c82.519,96.678) 83.439,96.678 ccw(c84.359,96.678) R7.1@83.708,96.027 ; R7.1 MCU.31
pads on no net: M1.5 MCU.1 MCU.2 MCU.3 MCU.8 MCU.9 MCU.22 MCU.24 R1.3 R3.3 R5.3 S3.3 S3.4 S4.3 S4.4 S5.3 S5.4

## Polygon pours and split planes (outlines as drawn)
DGND on Top Layer "Bottom Overlay-No Net" (solid, remove dead copper, pour order 8): 21.59,101.346 127.508,101.346 127.508,56.896 125.857,55.245 123.825,53.213 22.479,53.213
GND on Top Layer "Bottom Overlay-No Net" (solid, remove dead copper, pour order 2): 22.352,101.346 74.549,101.346 118.364,101.346 118.11,101.6 118.11,131.445 23.876,131.445 22.352,132.969
DGND on Bottom Layer "Bottom Overlay-No Net" (solid, remove dead copper, pour order 6): 23.749,101.346 119.888,101.346 115.824,97.282 115.824,55.88 22.86,55.88 20.193,53.213
GND on Bottom Layer "Bottom Overlay-No Net" (solid, remove dead copper, pour order 4): 23.114,101.346 120.65,101.346 120.65,127.127 116.967,130.81 115.189,129.032 19.558,129.032

## Keep-outs
Keep-Out Layer:
  the board outline again, w0.254

## Other copper
Top Layer:
  text "UPS控制器V1" at 31.877,70.104 h5.08
  text "Designed By - Kevin" at 46.736,65.532 h2.54

## Silkscreen, mask and mechanical layers (free items; w line width, h text height)
Top Overlay:
  lines w0.254: 73.787,98.679 73.787,124.079 99.187,124.079 99.187,98.679 73.787,98.679
Bottom Overlay:
  lines w0.254: 27.686,82.677 27.686,60.628 73.914,60.628 ; 27.763,82.628 73.787,82.628 73.787,60.628 ; 56.642,84.949 56.642,99.949 27.642,99.949 27.642,84.963 56.642,84.963
  text "+" at 113.157,123.444 h1.52
  text "+12v" at 110.744,123.063 h1.52 r90
  text "IN+" at 70.993,118.364 h1.52
  text "-" at 113.284,115.824 h1.52
  text "1 2 3" at 114.554,90.043 h1.52 r90
  text "JLCJLCJLCJLC" at 110.744,62.103 h0.8
Top Solder:
  text "UPS控制器V1" at 31.877,70.104 h5.08
  text "Designed By - Kevin" at 46.736,65.532 h2.54

## Text inside footprints (layer, text, board x,y; h text height)
M1: Bottom Overlay "LM2596" at 54.102,112.522 h1.02
P11: Top Overlay "1" at 54.102,103.759 h1.02; Top Overlay "2" at 53.594,106.299 h1.02; Top Overlay "5" at 62.738,103.759 h1.02; Top Overlay "6" at 62.738,106.299 h1.02
P12: Top Overlay "1" at 42.799,103.759 h1.02; Top Overlay "2" at 42.291,106.299 h1.02; Top Overlay "5" at 51.435,103.759 h1.02; Top Overlay "6" at 51.435,106.299 h1.02